# Altium PCB Camera-M-PCB.PcbDoc (part 2 of 2)
Units mil, origin at the board's own origin, x right, y up, seen from the top; angles counter-clockwise.
Board outline 1377.95 x 1968.5 mil, 4 copper layers (Top Layer, GND02, ART03, Bottom Layer), stack 23.756 mil thick; 131 components, 85 nets, 466 pads, 261 vias.
Unrouted connection lines stored in the file: 96.
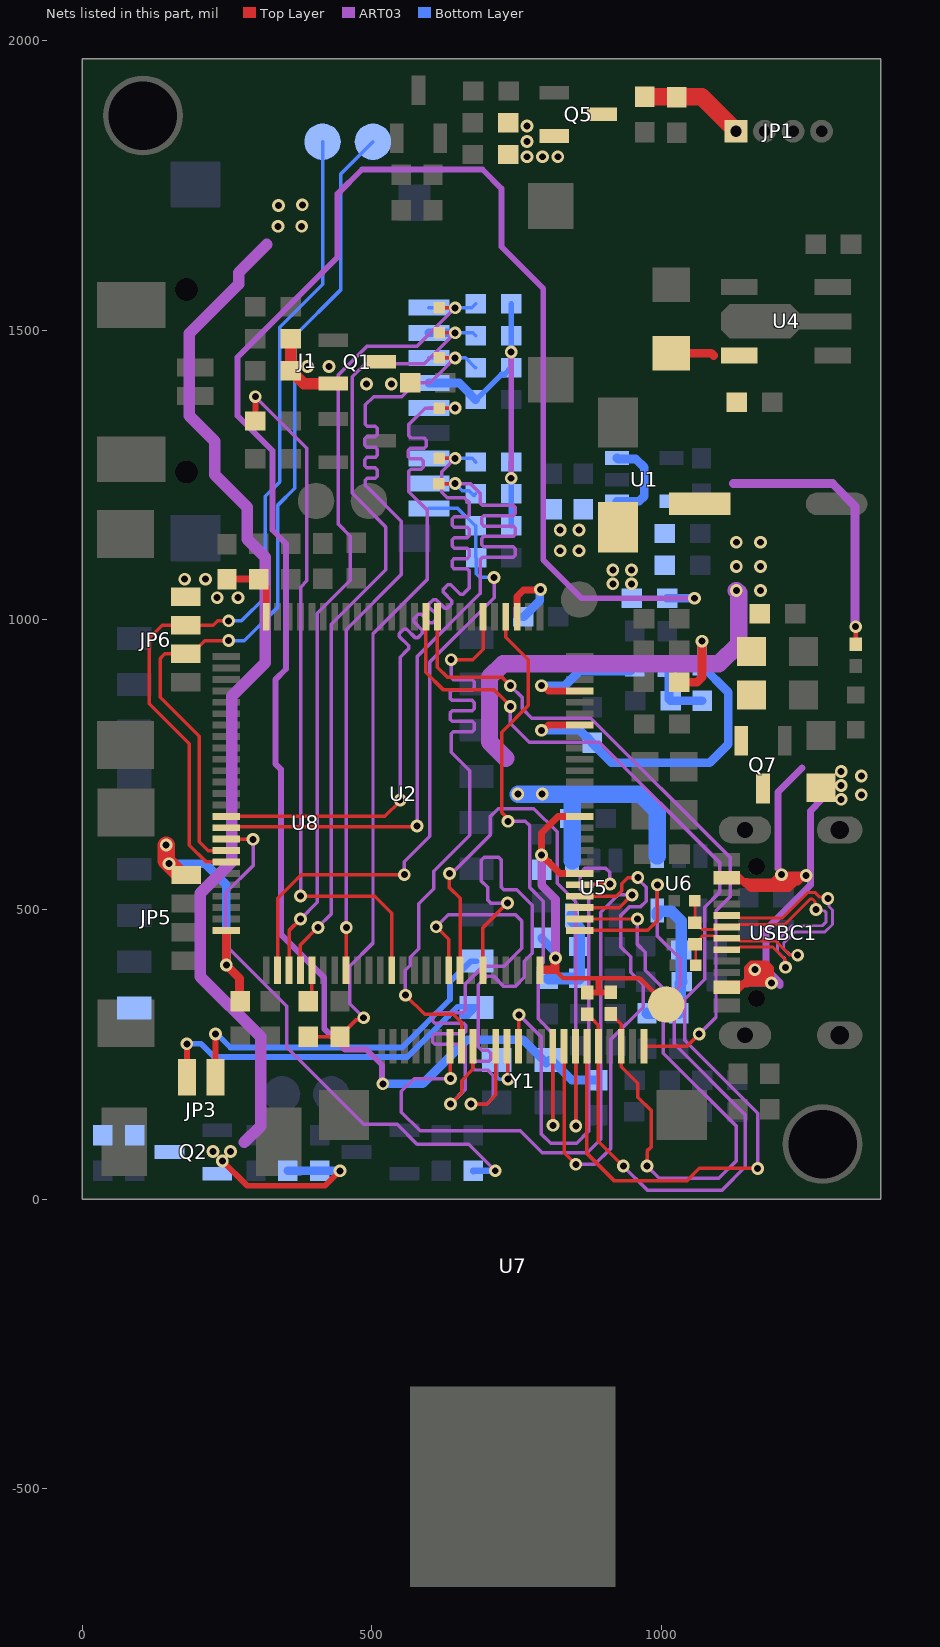
[diagram p4: the nets of this part, all layers, seen from the top]

## Via types
v1: diameter 22, hole 12, Top Layer to Bottom Layer, tented both sides, 261 vias

## Nets (pads, with @x,y where several pads share a name; then routed paths per layer and width w, separated by ;. In a path a pad name is that pad's centre, name@x,y a point inside that pad or via, vN(x,y) a via of type N, cw(c..) or ccw(c..) an arc to the next point about the centre after c; other vN are vias at no path point) (continued)
OV_D4: U2.3 U7.18 | length 1126.7
  Top Layer w6: U7.18@634.56,264.56 U7.18@635.11,264 635.43,263.68 635.43,208.32 v1(635.74,208) ; U2.3@859.12,503.15 927.15,503.15 v1(949,525)
  ART03 w6: v1(635.74,208) 573,208 551,186 551,150.23 583.23,118 756,118 794,80 872,80 895,103 895,495.02 924.98,525 v1(949,525)
OV_D5: U2.92 U7.16 | length 956.6
  Top Layer w6: v1(611,470) 632.74,448.26 U2.92@632.74,394.88 ; v1(635.74,164) 655.11,183.37 655.11,204.63 674.48,224 U7.16@674.48,264
  ART03 w6: v1(611,470) 632,491 748,491 759,480 759,433 727.5,401.5 691.8,401.5 660.87,370.57 660.87,346 660.87,325 657.27,321.4 609.02,321.4 605.42,317.8 605.42,307 609.02,303.4 658.4,303.4 662,299.8 662,289 658.4,285.4 609.02,285.4 605.42,281.8 605.42,271 609.02,267.4 657.27,267.4 660.87,263.8 660.87,231.57 660.87,189.13 v1(635.74,164)
OV_D6: U2.95 U7.14 | length 1065.1
  Top Layer w6: v1(671,164) 698,164 713.85,179.85 U7.14@713.85,264 ; U2.95@691.8,394.88 691.8,468.8 v1(734,511)
  ART03 w6: v1(671,164) 698,164 709.57,175.57 709.57,213.16 699.87,222.85 677.36,222.85 673.84,226.37 673.84,234.33 677.63,238.13 701.49,238.13 705,241.64 705,252 700,257 689.93,257 684,262.93 684,370 699,385 710,385 728,367 747.34,367 763,382.66 763,410.41 777,424.41 777,506.99 749.99,534 727.99,534 723,538.99 723,585.99 718.99,590 694.12,590 689,584.88 689,549 700,538 700,516.17 705.17,511 v1(734,511)
OV_D7: U2.5 U7.12 | length 954.4
  Top Layer w6: U7.12@753.22,264 753.61,264.39 753.61,317.61 v1(754,318) ; U2.5@859.12,542.52 859.86,543.26 910.26,543.26 v1(911,544)
  ART03 w6: v1(754,318) 792,280 792,113 808.55,96.45 853.52,96.45 874,116.93 874,520 859.49,534.51 859.49,562.49 868.45,571.45 903,571.45 910.45,564 910.45,544.55 v1(911,544)
OV_HREF: U2.29 U7.9 | length 1111.3
  Top Layer w6: U2.29@731.17,1005.12 731.17,969.83 770,931 770,852 724,806 724,667.33 735,656.33 v1(735,652) ; U7.9@812.28,264 812.46,263.82 v1@812.46,127.36
  ART03 w6: v1(735,652) 765,652 772.91,644.09 772.91,537.09 795.98,514.02 795.98,408.07 787,399.09 787,311 812.64,285.36 v1(812.64,127.36)
OV_PCLK: U2.31 U7.17 | length 1136.8
  Top Layer w6: v1(558,352) 591,319 640.8,319 654.8,305 U7.17@654.8,264 ; v1(637,931) 674,931 692,949 692,1004.91 U2.31@691.8,1005.12
  ART03 w6: v1(558,352) 558,395 566.5,403.5 566.5,417.5 581,432 581,510 607,536 607,566 669,628 669,739.5 637,771.5 637,782 637,803 640.6,806.6 673.4,806.6 677,810.2 677,821 673.4,824.6 638.6,824.6 635,828.2 635,839 638.6,842.6 673.4,842.6 677,846.2 677,857 673.4,860.6 638.6,860.6 635,864.2 635,875 638.6,878.6 673.4,878.6 677,882.2 677,893 673.4,896.6 640.6,896.6 637,900.2 637,907 v1(637,931)
OV_PWDN: U2.4 U7.8 | length 948
  Top Layer w6: U7.8@831.96,264 831.96,80.04 v1(852,60) ; v1@850.5,58.5 v1@852,57 ; U2.4@859.12,522.83 921.83,522.83 931.31,532.31 931.31,544.28 941.75,554.72 v1@958.86,554.72
  ART03 w6: v1(852,60) 885,60 912,87 912,275.23 968.26,331.49 968.26,369.76 946.58,391.43 946.58,418.42 930,435 930,490.11 944.89,505 964.33,505 973.45,514.12 973.45,537.96 959.13,552.28 v1(959.13,555)
OV_RESET: U2.36 U7.6 | length 1858.6
  Top Layer w6: U2.36@593.37,1005.12 593.37,909 622.87,879.5 710.5,879.5 731.73,858.27 ; U7.6@871.33,264 871.33,78.67 917.92,32.08 1044.42,32.08 1065.35,53 v1(1166,53)
  ART03 w6: v1(739,850) 739,821 771.57,788.43 892.57,788.43 1100.87,580.13 1100.87,530 1074.34,503.48 1074.34,379.34 1040,345 1040,274 1166,148 v1(1166,53)
OV_SCL: R15.1 U2.1 U7.5 | length 1294.1
  Top Layer w6: U2.1@859.12,463.78 976.43,463.78 993,480.35 v1(993,542.5) ; R15.1@872,319.3 872,318.32 879.83,310.49 880.81,310.49 891.02,300.28 U7.5@891.02,264 891.02,99.98 v1(934,57)
  ART03 w6: v1(934,57) 975.35,15.65 1104.65,15.65 1144.8,55.8 1144.8,145.2 1022,268 1022,358 1032.25,368.25 1032.25,414.61 993,453.86 v1(993,542.5)
OV_SDA: R17.1 U2.2 U7.3 | length 1057.4
  Top Layer w6: U2.2@859.12,483.46 v1(958.46,483.46) ; R17.1@912.6,319.39 912.6,318.4 920.42,310.58 921.41,310.58 930.39,301.6 U7.3@930.39,264 930.39,228.61 959,200 959,176 981.9,153.1 981.9,89.86 975,82.96 v1(975,57)
  ART03 w6: v1(958.46,483.46) 958.46,439.54 972.23,425.77 972.23,394.77 1003,364 1003,252 1129.31,125.69 1129.31,66.31 1099,36 996,36 v1(975,57)
OV_STROBE: U2.35 U7.1 | length 1170.9
  Top Layer w6: U2.35@613.06,1005.12 613.06,918 630.56,900.5 724.68,900.5 v1(739,886.18) ; U7.1@969.76,264 1044,264 v1(1065,285)
  ART03 w6: v1(739,886.18) 760,865.18 760,846 776,830 878,830 1119,589 1119,522.93 1094,497.93 1094,314 v1(1065,285)
OV_VSYNC: U2.93 U7.7 | length 1101.9
  Top Layer w6: v1(634,562) 634,537.5 652.5,519 652.5,394.96 U2.93@652.43,394.88 ; U7.7@851.65,264 852.32,263.32 852.32,126.32 v1(852,126)
  ART03 w6: v1(634,562) 638,562 704,628 704,659.94 718.06,674 779.63,674 819.75,633.88 819.75,545.25 852,513 v1(852,126)
OV_XCLK: U7.13 Y1.3 | length 107.3
  Top Layer w6: U7.13@733.54,264 734.27,263.27 734.27,207.73 v1(735,207)
  Bottom Layer w6: Y1.3@715.45,239.83 715.45,211.55 720,207 v1(735,207)
SD_DET: C55.2 J1.9 R36.2 U2.77 | length 1147.4
  Top Layer w6: U2.77@337.46,394.88 337.46,519.46 378,560 v1(556,560)
  ART03 w6: v1(556,560) 556,582 600,626 600,927 711,1038 v1(711,1073.02)
  Bottom Layer w6: J1.9@598.39,1192.01 648.63,1192.01 678.51,1162.13 R36.2@679.49,1162.13 679.49,1107.63 C55.2@680,1107.13 680,1079 685.98,1073.02 v1(711,1073.02)
SDIO_CLK: R35.2 U2.80 | length 56.1
  Top Layer w6: R35.2@390,341.51 396.52,348.03 U2.80@396.52,394.88
SDIO_CMD: C52.2 J1.3 R32.2 U2.83 | length 1446.3
  Top Layer w6: U2.83@455.57,394.88 455.79,395.09 455.79,468.79 v1(456,469) ; C52.2@616.1,1451.85 v1(643.86,1451.85)
  ART03 w6: v1(456,469) 456,983 551,1078 551,1170 498,1223 488.78,1232.22 488.78,1240.4 492.38,1244 505.5,1244 509.1,1247.6 509.1,1258.4 505.5,1262 491.38,1262 487.78,1265.6 487.78,1276.4 491.38,1280 505.5,1280 509.1,1283.6 509.1,1294.4 505.5,1298 491.38,1298 487.78,1301.6 487.78,1312.4 491.38,1316 505.5,1316 509.1,1319.6 509.1,1330.4 505.5,1334 492.38,1334 488.78,1337.6 488.78,1360 488.78,1370.78 503,1385 551.77,1385 575.77,1409 601,1409 v1(643.86,1451.85)
  Bottom Layer w6: J1.3@598.39,1451.85 v1(643.86,1451.85) 661.66,1451.85 678.51,1435 R32.2@679.49,1435
SDIO_D0: C48.2 J1.7 R28.2 U2.65 | length 1410.5
  Top Layer w6: U2.65@248.88,660.63 522.62,660.63 549,687.01 v1(549,689) ; C48.2@616.1,1278.62 v1(643.86,1278.62)
  ART03 w6: v1(549,689) 549,935.41 561.29,947.71 563.42,949.83 563.42,954.92 547.29,971.04 547.29,976.13 554.93,983.77 560.02,983.77 574.57,969.22 579.66,969.22 587.3,976.86 587.3,981.95 572.75,996.5 572.75,1001.59 580.39,1009.22 585.48,1009.22 600.03,994.67 605.12,994.67 612.76,1002.31 612.76,1007.4 598.2,1021.95 598.2,1027.04 605.84,1034.68 610.93,1034.68 625.48,1020.13 630.57,1020.13 638.21,1027.77 638.21,1032.86 623.66,1047.41 623.66,1052.5 631.3,1060.14 636.39,1060.14 652.51,1044.01 657.6,1044.01 660.79,1047.21 668.54,1054.96 668.54,1081 668.54,1084 664.94,1087.6 642.14,1087.6 638.54,1091.2 638.54,1102 642.14,1105.6 664.4,1105.6 668,1109.2 668,1120 664.4,1123.6 642.14,1123.6 638.54,1127.2 638.54,1138 642.14,1141.6 664.4,1141.6 668,1145.2 668,1156 664.4,1159.6 642.14,1159.6 638.54,1163.2 638.54,1174 642.14,1177.6 664.94,1177.6 668.54,1181.2 668.54,1190.13 668.54,1201.46 659.68,1210.32 630.32,1210.32 620.44,1220.19 620.44,1255.2 v1(643.86,1278.62)
  Bottom Layer w6: v1(643.86,1278.62) 673,1278.62 R28.2@679.49,1272.13
SDIO_D1: C49.2 J1.8 R29.2 U2.66 | length 1399.4
  Top Layer w6: U2.66@248.88,640.94 250.41,642.47 576.47,642.47 v1(578,644) ; C49.2@615.43,1235 v1(643.86,1235)
  ART03 w6: v1(578,644) 578,936 684,1042 687.48,1045.48 687.48,1104.09 691.08,1107.69 743.88,1107.69 747.48,1111.29 747.48,1122.09 743.88,1125.69 693.44,1125.69 689.85,1129.29 689.85,1140.09 693.44,1143.69 743.88,1143.69 747.48,1147.29 747.48,1158.09 743.88,1161.69 693.44,1161.69 689.85,1165.29 689.85,1176.09 693.44,1179.69 743.88,1179.69 747.48,1183.29 747.48,1194.09 743.88,1197.69 691.08,1197.69 687.48,1201.29 687.48,1206 687.48,1217.52 670,1235 v1(643.86,1235)
  Bottom Layer w6: v1(643.86,1235) 656.29,1222.57 667.79,1222.57 676.37,1214 R29.2@679.49,1217.13
SDIO_D2: C50.2 J1.1 R30.2 U2.78 | length 1442.2
  Top Layer w6: U2.78@357.15,394.88 357.07,394.96 357.07,463.58 v1(377,483.5) ; C50.2@616.03,1538.21 v1(643.86,1538.21)
  ART03 w6: v1(377,483.5) 406,512.5 406,1011 463.06,1068.06 463.06,1143.94 441.63,1165.37 441.63,1422.09 491.12,1471.58 577.23,1471.58 v1(643.86,1538.21)
  Bottom Layer w6: J1.1@598.39,1538.46 598.64,1538.21 v1(643.86,1538.21) 672.7,1538.21 R30.2@679.49,1545
SDIO_D3: C51.2 J1.2 R31.2 U2.79 | length 1429.5
  Top Layer w6: U2.79@376.83,394.88 376.83,438.83 v1(407,469) ; C51.2@616.1,1495.16 v1(643.86,1495.16)
  ART03 w6: v1(407,469) 430,492 430,992 524,1086 524,1160 466,1218 466,1419 489,1442 590.7,1442 v1(643.86,1495.16)
  Bottom Layer w6: v1(643.86,1495.16) 674.33,1495.16 R31.2@679.49,1490
  Bottom Layer w15: J1.2@598.39,1495.16 v1(643.86,1495.16)
SDIOCLK: C53.2 C54.2 J1.5 R35.1 | length 1473.3
  Top Layer w6: R35.1@390,280.48 C53.2@445,280.49 445,281.48 473.46,309.94 482.94,309.94 v1(486,313) ; C54.2@616.1,1365.24 v1(643.86,1365.24)
  ART03 w6: v1(486,313) 462,337 462,402 502,442 502,976 596,1070 596,1189 564,1221 564,1235 564,1256 567.6,1259.6 585.4,1259.6 589,1263.2 589,1274 585.4,1277.6 566.27,1277.6 562.67,1281.2 562.67,1292 566.27,1295.6 590.4,1295.6 594,1299.2 594,1310 590.4,1313.6 567.6,1313.6 564,1317.2 564,1334 564,1337 592.24,1365.24 v1(643.86,1365.24)
  Bottom Layer w6: J1.5@598.39,1365.24 v1(643.86,1365.24)
SPK+: JP3.1 U8.18 | length 664.8
  Top Layer w10: JP3.1@180.79,210 v1(180.79,268)
  Bottom Layer w10: v1(180.79,268) 205,268 227.82,245.18 561.18,245.18 632.3,316.3 648,332 679.54,332 U8.18@680.55,330.98 ; U8.18@680.55,330.98 665.87,316.3 656.02,316.3 670.71,330.98 U8.18@680.55,330.98
SPK-: JP3.2 U8.17 | length 614.7
  Top Layer w10: JP3.2@230,210 v1(230,285)
  Bottom Layer w10: v1(230,285) 232.77,285 255.93,261.84 552.42,261.84 635,344.42 635,375 656.02,396.02 670.71,410.71 U8.17@680.55,410.71
UART1_RX: JP6.2 TP6.1 U2.69 | length 1517.9
  Top Layer w6: U2.69@248.88,581.89 214.11,581.89 185,611 185,786 116,855 116,968 138.15,990.15 179,990.15 226.15,990.15 234,998 v1(253,998)
  Bottom Layer w6: v1(253,998) 275,998 316,1039 316,1213 340.75,1237.75 340.75,1504.75 415,1579 TP6.1@415,1825
UART1_TX: JP6.3 TP5.1 U2.68 | length 1507.8
  Top Layer w6: U2.68@248.88,601.57 217.43,601.57 202,617 202,799 135,866 135,933 142.94,940.94 179,940.94 188.84,940.94 211.91,964 v1(253,964)
  Bottom Layer w6: v1(253,964) 280,964 338,1022 338,1198 367.02,1227.02 367.02,1490.02 446,1569 446,1769 TP5.1@502,1825
USB_DM: C59.1 R1.2 USBC1.A7 USBC1.B7 | length 598.9
  Top Layer w5: C59.1@1057.61,514.88 1057.43,514.7 R1.2@1057.43,477.25 1058.42,477.25 1066.74,468.92 1066.74,468.44 1069.67,465.51 1089.56,465.51 1090.48,466.43 1109.22,466.43 USBC1.A7@1112.63,469.84 1116.03,473.24 1134.72,473.24 1135.69,474.21 1212.82,474.21 1256.53,517.93 1260.68,517.93 1264.71,513.89 1264.71,501.7 v1(1266.7,499.72) ; USBC1.B7@1112.64,430.47 1116.04,433.87 1134.75,433.87 1135.71,434.83 1192.17,434.83 1214,413 v1(1214,400)
  ART03 w5: v1(1214,400) 1212.53,401.47 1212.53,414.69 1203.11,424.11 1199.89,427.33 1199.89,446.45 1225.22,471.78 1277.22,471.78 1284.17,478.73 1284.17,494.25 1280.79,497.64 1268.78,497.64 v1(1266.7,499.72)
USB_DP: C60.2 R2.2 USBC1.A6 USBC1.B6 | length 618
  Top Layer w5: C60.2@1058.99,403.78 1058.99,438.71 R2.2@1057.7,440 1058.68,440 1067.01,448.33 1067.01,450.25 1071.27,454.51 1089.5,454.51 1090.45,453.56 1109.16,453.56 USBC1.A6@1112.57,450.16 1115.97,446.75 1134.71,446.75 1135.63,445.83 1196.73,445.83 1221.56,421 v1(1235,421) ; USBC1.B6@1112.57,489.53 1115.97,486.12 1134.72,486.12 1135.63,485.21 1208.26,485.21 1251.98,528.93 1265.23,528.93 1273,521.16 1284.84,521.16 v1(1287,519)
  ART03 w5: v1(1235,421) 1233.53,422.47 1220.31,422.47 1210.89,431.89 1210.89,441.89 1229.78,460.78 1281.78,460.78 1295.17,474.17 1295.17,498.8 1289.07,504.91 1289.07,516.93 v1(1287,519)
USB_VBUS: C5.2 Q7.3 USBC1.A4 USBC1.A9 USBC1.B4 USBC1.B9 | length 1551.3
  Top Layer w12: USBC1.B4@1112.57,548.58 1140.92,548.58 ; USBC1.A9@1112.57,560.39 1129.11,560.39 1140.92,548.58 ; USBC1.A4@1112.73,359.61 1129.27,359.61 1141.18,371.51 ; USBC1.B9@1112.73,371.42 1112.82,371.51 1141.18,371.51 ; 1229.56,545.44 1220.12,536 1199.97,536 ; v1@1248,559 1228.62,559 ; 1140.92,548.58 1153.5,536 1160,536 ; 1140.92,548.58 1147.42,548.58 1149,547 ; 1141.18,371.51 1148.2,378.54 1148.2,380.5 ; 1141.18,371.51 1148.51,371.51 1150,373 ; 1148.2,380.5 1148.2,398.97 1155.23,406 1181,406 1188.09,398.91 1188.09,389.91 ; 1148.2,380.5 v1@1159.09,391.38 ; 1149,547 1160,536 ; 1149,547 1191.29,547 1204.29,560 v1(1207,560) ; 1150,373 1170,373 ; 1150,373 1159.09,382.09 ; 1159.09,382.09 v1@1159.09,391.38 ; 1159.09,382.09 1162.46,385.46 1171.54,385.46 ; v1@1159.09,391.38 1161,393.29 v1(1161,396) ; v1@1159.09,391.38 1159.09,394.09 v1(1161,396) ; 1160,536 1183,536 ; v1(1161,396) 1162,397 1181,397 1188.09,389.91 ; v1(1161,396) 1163.71,396 1168.33,391.38 1171.62,391.38 v1@1188.09,374.91 ; v1(1161,396) 1171.54,385.46 ; 1170,373 v1(1190,373) ; 1170,373 1170,383.91 1171.54,385.46 ; 1171.54,385.46 1182.09,374.91 v1@1188.09,374.91 ; 1183,536 1199.97,536 ; 1183,536 1194,547 ; v1@1188.09,374.91 v1(1190,373) ; v1@1188.09,374.91 1188.09,389.91 ; v1@1188.09,374.91 v1(1190,373) ; 1194,547 v1@1205.09,558.09 ; 1194,547 1199.97,541.03 1199.97,536 ; 1199.97,536 1205.09,541.12 ; 1205.09,541.12 1223.24,541.12 1229.13,547 ; 1205.09,541.12 1207,543.03 ; 1205.09,541.12 v1@1205.09,558.09 ; v1@1205.09,558.09 v1@1206,559 ; v1@1206,559 v1@1207,559 ; v1@1206,559 v1(1207,560) ; 1207,543.03 1210.97,547 1222.71,547 ; 1207,543.03 v1@1207,559 ; v1@1207,559 v1@1210.71,559 ; v1@1207,559 v1(1207,560) ; v1(1207,560) 1209.71,560 v1@1210.37,559.34 ; v1(1207,560) 1207.66,559.34 v1@1210.37,559.34 ; v1@1210.37,559.34 1228.28,559.34 ; v1@1210.37,559.34 v1@1210.71,559 ; v1@1210.71,559 1227.94,559 ; v1@1210.71,559 1222.71,547 ; 1222.71,547 1223.08,547 ; 1223.08,547 1229.13,547 ; 1223.08,547 1223.08,554.13 1227.94,559 ; 1227.94,559 1228.62,559 ; 1227.94,559 1228.28,559.34 ; 1228.28,559.34 1248.9,559.34 v1(1249.56,558.67) 1246.86,558.67 1235.18,547 ; 1228.28,559.34 1228.62,559 ; 1228.62,559 1235.18,552.44 1235.18,547 ; 1229.13,547 1235.18,547
  ART03 w12: 1144.69,375.03 1146.72,373 v1(1190,373) ; 1201.15,570.15 1201.15,702.69 1242.41,743.94 ; 1204.3,369.02 1204.3,373.7 1180,398 1180,465 1257,542 1257,670 1276.33,689.33
  other v1: 1310,690 1344.86,697.76 1310,714 1344.86,730.24 1310,738
VCC_1V3: C27.2 C28.2 R13.1 U5.5 | length 167.1
  Bottom Layer w20: R13.1@805,380.52 805.24,380.76 857.76,380.76 C28.2@858,381 C27.2@858,436 858,468.5 845.6,480.9 U5.5@845.6,489.76
VCC_2V8: C33.2 C34.2 R16.1 R19.1 U6.5 | length 271.9
  Bottom Layer w20: R16.1@975,320.52 R19.1@1030,320.52 1032.25,322.76 1032.25,372.75 C34.2@1034.49,375 1034.23,375.26 1034.23,429.74 C33.2@1033.98,430 1033.98,480.07 1017.17,496.88 994.41,496.88 992.6,495.07 U6.5@992.6,488.9
VCC_3V3: C41.2 R3.2 Y1.4 | length 3497.8
  ART03 w10: v1(519,199) 517.66,200.34 517.66,231.34 491,258 454,258 418,294 418,382 343,457 343,742 333.5,751.5 333.5,896.5 352,915 352,1131 328.38,1154.62 328.38,1291.62 268,1352 268,1453 441,1626 441,1735 483,1777 691,1777 724,1744 724,1643.84 796,1571.84 796,1103 862,1037 v1(1057,1037)
  Bottom Layer w15: v1(519,199) 588,199 664,275 760.91,275 Y1.4@801.04,234.87 ; Y1.4@806,239.83 810.92,239.83 845.25,205.51 C41.2@890,205.51 ; R3.2@1009.5,1036.83 1009.59,1036.91 1056.91,1036.91 v1(1057,1037)
VCC_IN: C1.2 C2.2 C6.2 C7.2 C8.2 C9.2 C10.2 C26.2 C45.2 D5.2 E2.1 Q2.2 Q5.2 Q7.2 R4.1 R6.2 R7.1 R21.1 U1.1 U1.3 U4.5 U5.1 U6.1 | length 3919.6
  Top Layer w8: R6.2@1335,957.4 v1(1335,988)
  Top Layer w10: v1(242,66) 285,23 419,23 v1(444.9,48.9)
  Top Layer w15: R7.1@1017,1459.94 1086.06,1459.94 1090,1456
  ART03 w15: 1124,1235 1295,1235 1334,1196 1334,989 v1(1335,988)
  ART03 w20: 280,98 308,126 308,280 204,384 204,528 258,582 258,868 316,926 316,1108 285,1139 285,1194 229,1250 229,1308 185,1352 185,1494 270,1579 270,1599 318.53,1647.53
  ART03 w30: 731,761 703,789 703,900.5 726.5,924 1099,924 1133,958 1133,1046.34 v1(1129.01,1050.33)
  Bottom Layer w15: R21.1@355,48.89 C45.2@410,48.9 v1(444.9,48.9) ; U1.1@923,1204.2 923.09,1204.28 961.21,1204.28 970,1213.07 970,1263 955.65,1277.35 924.65,1277.35 U1.3@923,1279
  Bottom Layer w30: v1@753,699 v1(793.94,699) 824.92,699 825.09,698.83 848,698.83 ; U5.1@845.6,584.24 845.6,696.43 848,698.83 ; U6.1@992.6,592.24 992.6,670.4 964.17,698.83 848,698.83
  other v1: 225.72,82 256,82 752,699 1170.67,1050.33 1129.01,1092 1170.67,1092 825,1119 857.6,1119 1129.01,1133.67 1170.67,1133.67 825,1155 857.6,1155 338,1679 379,1679 339,1715 380,1716 768,1799 794.5,1799 821,1799 768,1825.5 768,1852
VCC_LED: C57.2 C58.2 JP1.1 Q5.3 | length 182.1
  Top Layer w30: C57.2@971.03,1902.26 1069.31,1902.26 JP1.1@1128.57,1843
VCC_TF: C42.2 C43.2 J1.4 Q1.3 R28.1 R29.1 R30.1 R31.1 R32.1 R36.1 | length 615.2
  ART03 w10: v1(740.52,1244.13) v1(740.52,1462)
  Bottom Layer w10: C43.2@679.49,1380 680.48,1380 723.74,1423.27 728.78,1423.27 R32.1@740.52,1435 v1(740.52,1462) R31.1@740.52,1490 R30.1@740.52,1545 ; R36.1@740.52,1162.13 R29.1@740.52,1217.13 v1(740.52,1244.13) R28.1@740.52,1272.13
  Bottom Layer w15: J1.4@598.39,1408.54 650.95,1408.54 669.27,1390.22 669.27,1389.23 678.51,1380 C43.2@679.49,1380
  other v1: 491,1407 533.67,1407
VCC_VOICE: C46.2 C47.2 Q2.3 U8.1
VCPU: C11.2 C12.2 C17.1 C18.1 C19.1 C20.1 C21.1 C22.1 C23.1 C44.2 JP5.1 JP6.1 Q1.2 R3.1 R11.1 R15.2 R17.2 R20.1 R37.2 TP9.1 U1.5 U2.6 U2.11 U2.19 U2.28 U2.50 U2.75 U2.100 | length 2328
  Top Layer w8: 816,396 830.63,381.37 962.63,381.37 TP9.1@1008,336
  Top Layer w10: R15.2@872,356.7 R15.2@872,356.7 891,356.75 ; 890.84,379.99 891,379.84 891,356.75 ; R17.2@912.6,356.79 912.55,356.75 891,356.75
  Top Layer w12: 269,1070 C21.1@305,1070 305,1069.02 317.78,1056.24 U2.50@317.78,1005.12 ; U2.28@750.85,1005.12 750.85,1039.85 762,1051 790,1051 v1(791,1052) ; v1(792.98,809.09) 795.69,809.09 804.71,818.11 U2.19@859.12,818.11 ; U2.6@859.12,562.2 824.8,562.2 v1(793,594) 793,632 821.63,660.63 U2.11@859.12,660.63
  Top Layer w15: U2.75@248.88,461.11 v1(248.88,404) 271.52,381.37 271.52,343 C20.1@273,341.52 ; U2.100@791.34,396 816,396 816,415 v1(817,416) ; R37.2@1030.51,892 1061.21,892 1070,900.79 v1(1070,963)
  Top Layer w20: R20.1@360.01,1485 C44.2@360,1430 360.98,1430 370.69,1420.3 370.69,1419.31 382.4,1407.6 Q1.2@433.66,1407.6
  Top Layer w30: v1(145,611) 145,584 v1(150,579) 150.37,579 170.16,559.21 JP5.1@180,559.21 ; JP6.1@175.49,1039.36 JP6.1@179,1039.36
  ART03 w15: v1(793,594) 793,541.72 817,517.72 v1(817,416)
  Bottom Layer w15: v1(150,579) 212.5,579 248.88,542.62 v1(248.88,404) ; C22.1@761.02,1005.12 762,1005.12 789.66,1032.77 789.66,1050.66 v1(791,1052) ; C23.1@793,451 793,450.02 815.66,427.36 815.66,417.34 v1(817,416) ; v1(792.98,809.09) 858.62,809.09 869.9,797.81 870.89,797.81 880.12,788.58 C19.1@880.12,787.6 880.12,786.61 913.73,753 1083,753 1115,785 1115,875.04 1070,920.04 R11.1@1070,921.02 v1(1070,963)
  other v1: 233,1038 269,1038 916,1062 948,1062 177,1070 213,1070 916,1086 948,1086 389,1437 426,1437
VDDA: C15.1 C16.1 R11.2 R12.1 U2.22 | length 416.8
  Top Layer w12: v1(792.98,886.18) 795.69,886.18 804.71,877.17 U2.22@859.12,877.17
  Bottom Layer w15: v1(792.98,886.18) 833.18,886.18 858,911 946.02,911 C16.1@954.25,919.23 ; C16.1@954,919.48 C16.1@954.25,919.23 ; R11.2@1070,860 R12.1@1015.52,860 1012.76,862.76 1012.76,916.22 C15.1@1010,918.98 1009.75,919.23 C16.1@954.25,919.23
VOICE_POW: R25.2 U2.67 | length 954.6
  Top Layer w6: U2.67@248.88,621.26 249.14,621 v1(295,621)
  ART03 w6: v1(295,621) 295,575.52 248,528.52 248,438 353,333 353,261.84 485.84,129 544,129 578,95 667,95 v1(713,49)
  Bottom Layer w12: R25.2@675,48.9 675.1,49 v1(713,49)
VSD_POW: R24.2 U2.87 | length 1203.7
  Top Layer w6: v1@387,523 505,523 534.32,493.68 U2.87@534.32,394.88
  Top Layer w10: R24.2@298.98,1343 v1(299,1385)
  ART03 w6: v1(299,1385) 388,1296 388,1067.21 377,1056.21 v1(377,523)
pads on no net: J1.0 U2.7 U2.8 U2.9 U2.16 U2.17 U2.18 U2.23 U2.26 U2.30 U2.32 U2.33 U2.34 U2.37 U2.38 U2.39 U2.40 U2.41 U2.42 U2.43 U2.44 U2.45 U2.46 U2.47 U2.48 U2.51 U2.52 U2.53 U2.54 U2.57 U2.58 U2.59 U2.60 U2.61 U2.62 U2.81 U2.82 U2.84 U2.85 U2.86 U2.88 U2.89 U2.90 U2.91 U2.96 U7.23 U7.24 U7.27 U8.3 U8.4 U8.7 U8.10 U8.11 U8.12 U8.13 U8.14 U8.15 USBC1. USBC1.A5 USBC1.A8 USBC1.B5 USBC1.B8 Y1.1

## Polygon pours and split planes (outlines as drawn)
GND on Top Layer "GND_L01_P050" (solid, remove dead copper, pour order 50): 0,1968.5 1377.95,1968.5 1377.95,0 0,0
VCC_IN on Top Layer "VCC_IN_L01_P039" (solid, remove dead copper, pour order 39): 737,706 743,712 810,712 814,708 814,679 808,673 743,673 737,679
VCPU on Top Layer "VCPU_L01_P036" (solid, remove dead copper, pour order 36): 343,1501 391,1501 396,1496 396,1459 405,1450 455.02,1450 462.28,1442.74 462.28,1397.28 459,1394 360,1394 343,1411
AVDD on Top Layer "AVDD_L01_P032" (solid, remove dead copper, pour order 32): 922,228 940,210 940,163 972,131 972,99 960,87 919.33,87 904,102.33 904,228
DOVDD on Top Layer "DOVDD_L01_P024" (solid, remove dead copper, pour order 24): 739,38 739,128 764,153 764,229.09 772.91,238 798,212.91 798,42 794,38
GND on Top Layer "GND_L01_P002" (solid, remove dead copper, pour order 2): 1213,1236 1173,1276 1173,1357 1178,1362 1250,1362 1265,1347 1313,1347 1336,1324 1336,1256 1357,1235 1357,1050 1314,1007 1314,779 1302,767 1200,767 1200,833 1213,846 1213,1117
VCC_IN on Top Layer "VCC_IN_L01_P025" (solid, remove dead copper, pour order 25): 207,36 207,86.63 219.72,99.35 267.67,99.35 272.11,94.91 272.11,47.11 261,36
VCPU on Top Layer "VCPU_L01_P018" (solid, remove dead copper, pour order 18): 153,1023 153,1089 157,1093 283,1093 289,1087 289,1033 279,1023
NetD5_1 on Top Layer "NETD5_1_L01_P006" (solid, remove dead copper, pour order 6): 768,1374 862,1374 877,1359 877,1297 876,1296 962,1296 962,1407 913,1456 772,1456 768,1452
GND on Top Layer "GND_L01_P013" (solid, remove dead copper, pour order 13): 609,1391 609,1425 610,1426 689,1426 720,1395 720,1329 718,1327 671,1327 666,1332 666,1385 660,1391
VCC_TF on Top Layer "VCC_TF_L01_P012" (solid, remove dead copper, pour order 12): 518,1396 525,1389 581,1389 584,1392 584,1425 583,1426 564,1426 559,1431 559,1446 543,1462 485,1462 476,1453 476,1401 481,1396
VCC_IN on Top Layer "VCC_IN_L01_P011" (solid, remove dead copper, pour order 11): 715,1881 776,1881 789,1868 841,1868 844,1865 844,1794 833,1783 717,1783 715,1785
GND on Top Layer "GND_L01_P010" (solid, remove dead copper, pour order 10): 949,1860 1067,1860 1076,1851 1076,1807 1071,1802 958,1802 949,1811
VCC_LED on Top Layer "VCC_LED_L01_P009" (solid, remove dead copper, pour order 9): 869,1862 869,1912 880,1923 987,1923 989,1921 989,1878 984,1873 939,1873 928,1862
LED+ on Top Layer "LED+_L01_P007" (solid, remove dead copper, pour order 7): 1077,1561 1077,1649 1099,1671 1163,1671 1255,1763 1255,1855 1260,1860 1292,1860 1297,1855 1297,1735 1167,1605 1167,1561
LED- on Top Layer "LED-_L01_P008" (solid, remove dead copper, pour order 8): 769,1755 839,1755 867,1783 1164,1783 1206,1825 1206,1851 1213,1858 1239,1858 1246,1851 1246,1787 1157,1698 906,1698 879,1671 769,1671
NetD5_1 on Top Layer "NETD5_1_L01_P005" (solid, remove dead copper, pour order 5): 1264,1471 1335,1471 1340,1466 1340,1377 1333,1370 1269,1370 1264,1375
GND on Top Layer "GND_L01_P004" (solid, remove dead copper, pour order 4): 1173,1351 1173,1387 1190,1404 1190,1466 1172,1484 1077,1484 1067,1494 1067,1538 1075,1546 1323,1546 1330,1539 1330,1501 1323,1494 1257,1494 1253,1490 1253,1359 1245,1351
VCC_IN on Top Layer "VCC_IN_L01_P003" (solid, remove dead copper, pour order 3): 992,1111 1074.18,1111 1094,1091.18 1094,846 1118,822 1118,766 1179.78,766.01 1186,772.23 1186,1224 1148,1262 1148,1393 1165,1410 1165,1469 1164,1470 1074,1470 1066,1462 1066,1262 1021,1217 893,1217 882,1206 882,1111
USB_VBUS on Top Layer "USB_VBUS_L01_P000" (solid, remove dead copper, pour order 0): 1163,683 1163,738 1175,750 1359,750 1365,744 1365,679.91 1359.09,674 1175.77,674 1175,673.23
GND on ART03 "GND_L03_P051" (solid, remove dead copper, pour order 51): 0,1968.5 1377.95,1968.5 1377.95,0 0,0
AVDD on ART03 "AVDD_L03_P030" (solid, remove dead copper, pour order 30): 911.07,86 911.07,130 1079.3,130 1118,91.3 1118,77 1111,70 1061,70 1045,86
VCC_IN on ART03 "VCC_IN_L03_P017" (solid, remove dead copper, pour order 17): 751,1858 759,1866 843,1866 853,1856 853,1785 1147,1491 1147,1178 1166,1159 1186,1139 1186,1045 1174,1033 1100,1033 1039.55,1093.45 1026.15,1107.6 811.83,1107.6 811.83,1163.83 827,1179 1038,1179 1048,1190 1048,1439 751,1736
VCC_IN on ART03 "VCC_IN_L03_P042" (solid, remove dead copper, pour order 42): 309,1637 309,1734 317,1742 393,1742 407,1728 407,1645 399,1637
VCC_IN on ART03 "VCC_IN_L03_P041" (solid, remove dead copper, pour order 41): 207,56.55 207,102 215,110 289,110 298,101 298,61 289,52 211.55,52
VCC_IN on ART03 "VCC_IN_L03_P040" (solid, remove dead copper, pour order 40): 777,775 777,731.19 791.6,716.59 803.72,716.59 809.43,710.88 809.43,694.43 806,691.47 738.03,691.47 737,692.5 727.5,692.5 712,708 712,768 719,775
VCPU on ART03 "VCPU_L03_P019" (solid, remove dead copper, pour order 19): 164,940.5 164,671 197,637 197,570 192,565 134,565 124,575 124,603 94.92,632.08 94.92,974.92 124,1004 124,1051 162,1089 274,1089 288,1075 288,1030 280,1022 245.5,1022
USB_VBUS on ART03 "USB_VBUS_L03_P001" (solid, remove dead copper, pour order 1): 1197,705 1242,750 1357,750 1357,679 1280,679 1262,661 1262,550 1182.56,470.56 1182.56,399.94 1204.3,378.2 1204.3,369.02 1204,363 1145,363 1122.56,385.44 1122.56,472.56 1197,547
GND on Bottom Layer "GND_L04_P053" (solid, remove dead copper, pour order 53): 0,1968.5 1377.95,1968.5 1377.95,0 0,0
DOVDD on Bottom Layer "DOVDD_L04_P029" (solid, remove dead copper, pour order 29): 739,81 787,81 831,37 977,37 996,56 996,204 958,242 958,274 961,277 990,277 1003,264 1003,242.43 1015.98,229.45 1023.56,229.45 1032.25,220.76 1032.25,42.25 993,3 779,3 739,43
VCC_TF on Bottom Layer "VCC_TF_L04_P044" (solid, remove dead copper, pour order 44): 481,1396 481,1440 489,1448 542,1448 567,1423 634,1423 634.5,1422.5 634.5,1391 561.77,1391 551.77,1381 485.23,1381 481.02,1385.21
VCC_IN on Bottom Layer "VCC_IN_L04_P043" (solid, remove dead copper, pour order 43): 391,1660 391,1728 360,1759 360,1851 397,1888 718,1888 739,1867 739,1791 749,1781 831,1781 844,1794 844,1931 819,1956 335,1956 290,1911 290,1678 308,1660
VCPU on Bottom Layer "VCPU_L04_P038" (solid, remove dead copper, pour order 38): 129,570 129,624 149,644 217,644 230,631 230,572 218,560 139,560
NetD5_1 on Bottom Layer "NETD5_1_L04_P037" (solid, remove dead copper, pour order 37): 860,1448 872,1460 1326,1460 1338,1448 1338,1375 1333,1370 1255,1370 1240,1385 866,1385 860,1391
GND on Bottom Layer "GND_L04_P035" (solid, remove dead copper, pour order 35): 1048.78,1074.77 1048.78,1195.98 1052.54,1199.74 1052.54,1233.54 1053,1234 1300,1234 1324,1210 1324,1017 1303,996 1220.5,996 1206.5,1010 1206.5,1145.5 1193,1159 1104.17,1159 1094,1148.83 1094,1082 1087,1075
VCPU on Bottom Layer "VCPU_L04_P034" (solid, remove dead copper, pour order 34): 901.5,1098.5 901.5,1043.91 924.41,1021 983,1021 988,1026 988,1067 996,1075 1033,1075 1038,1080 1038,1179 1042,1183 1042,1211 1038,1215 996,1215 985,1204 985,1182
AVDD on Bottom Layer "AVDD_L04_P027" (solid, remove dead copper, pour order 27): 1102,107.3 1118,91.3 1118,77 1111,70 1061,70 1051,80 1051,167.42 1041.42,177 1041.42,209.58 1014,237 1014,278 1051,278 1054.5,274.5 1081.5,274.5 1102,254
GND on Bottom Layer "GND_L04_P028" (solid, remove dead copper, pour order 28): 1125,73 1112,86 1112,227 1123,238 1205,238 1214,229 1214,137 1202,125 1202,80 1195,73
GND on Bottom Layer "GND_L04_P026" (solid, remove dead copper, pour order 26): 19,64 21,66 108,66 118,56 173,56 177,52 177,11 173,7 22,7 19,10
DVDD on Bottom Layer "DVDD_L04_P023" (solid, remove dead copper, pour order 23): 786.2,293.77 786.2,347.2 792.6,353.6 875.4,353.6 879,350 879,249 877,247 845,247 842,250 842,286.88 835.23,293.65
VCC_IN on Bottom Layer "VCC_IN_L04_P022" (solid, remove dead copper, pour order 22): 207,24 207,89.09 212.82,94.91 272.11,94.91 272.11,24
VCC_VOICE on Bottom Layer "VCC_VOICE_L04_P020" (solid, remove dead copper, pour order 20): 18,333 36,351 120,351 120,311 119,310 94,310 81,297 81,179 144,116 175,116 177,114 177,69 176,68 126,68 102,92 18,92
VCC_IN on Bottom Layer "VCC_IN_L04_P015" (solid, remove dead copper, pour order 15): 898,1210 903,1215 938,1215 943,1210 943,1177.79 868.21,1103 795,1103 784,1114 784,1210
GND on Bottom Layer "GND_L04_P016" (solid, remove dead copper, pour order 16): 792,1229 784,1237 784,1352 801,1369 873,1369 892,1350 892,1263 902,1253 944,1253 944,1229
GND on Bottom Layer "GND_L04_P014" (solid, remove dead copper, pour order 14): 562,1334 653,1334 670,1351 711,1351 722,1362 722,1396 759,1396 759,1320 746,1307 562,1307
VCPU on GND02 (split plane): 464.91,1215 465.26,1212.39 466.27,1209.96 467.87,1207.87 469.96,1206.26 472.39,1205.26 475,1204.91 1012.91,1204.91 1012.91,991.18 961.69,939.96 960.09,937.87 959.08,935.44 958.74,932.83 958.74,859.83 958.74,588.19 790.08,588.19 785.92,592.35 785.92,1030.31 785.58,1032.92 784.57,1035.36 782.96,1037.44 780.88,1039.05 778.44,1040.06 775.83,1040.4 473,1040.4 470.39,1040.06 467.96,1039.05 465.87,1037.44 464.27,1035.36 463.26,1032.92 462.91,1030.31 462.91,940.94 462.91,670.72 221,670.72 218.39,670.37 215.96,669.36 213.87,667.76 212.27,665.67 211.26,663.24 210.91,660.63 210.91,601.57 210.91,437 211.26,434.39 212.27,431.96 213.87,429.87 215.96,428.27 218.39,427.26 221,426.91 268.32,426.91 268.32,393 268.32,369.68 121.09,369.68 121.09,545 121.09,846 121.09,894.76 160.13,933.8 161.73,935.89 162.03,936.61 162.74,938.33 163.09,940.94 163.09,1023 163.09,1094.43 320,1094.43 322.61,1094.77 325.04,1095.78 327.13,1097.38 328.73,1099.47 329.74,1101.9 330.09,1104.51 330.09,1467.41 464.91,1467.41
EXT_GND on GND02 (split plane): 1353.91,202.09 1096.09,202.09 1096.09,330.91 1311,330.91 1313.61,331.26 1316.04,332.27 1318.13,333.87 1319.74,335.96 1320.74,338.39 1321.09,341 1321.09,581 1320.74,583.61 1319.74,586.04 1318.13,588.13 1316.04,589.73 1313.61,590.74 1311,591.09 1092.09,591.09 1092.09,654.91 1353.91,654.91
GND on GND02 (split plane): 1357.86,675.09 1082,675.09 1079.39,674.74 1076.96,673.73 1074.87,672.13 1073.26,670.04 1072.26,667.61 1071.91,665 1071.91,581 1072.26,578.39 1073.26,575.96 1074.87,573.87 1076.96,572.27 1079.39,571.26 1082,570.91 1300.91,570.91 1300.91,351.09 1086,351.09 1083.39,350.74 1080.96,349.73 1078.87,348.13 1077.26,346.04 1076.26,343.61 1075.91,341 1075.91,192 1076.26,189.39 1077.26,186.96 1078.87,184.87 1080.96,183.27 1083.39,182.26 1086,181.91 1357.86,181.91 1357.86,20.1 20.1,20.1 20.1,1948.41 1357.86,1948.41

## Keep-outs
Keep-Out Layer:
  the board outline again, w11.81

## Other copper
Top Layer:
  text "TOP" at -64,2491 h60
ART03:
  text "ART03" at 509.99,2491 h60
Bottom Layer:
  text "BOTTOM" at 856.97,2491 h60
GND02 (plane layer: these items are gaps in the copper):
  lines w20: 111,359.59 278.41,359.59 278.41,393 278.41,437 221,437 221,601.57 221,660.63 473,660.63 473,940.94 473,1030.31 775.83,1030.31 775.83,588.17 785.9,578.1 968.83,578.1 968.83,859.83 968.83,932.83 1023,987 1023,1215 475,1215 475,1477.5 320,1477.5 320,1104.51 153,1104.51 153,1101 153,1023 153,940.94 111,898.94 111,846 111,545 111,359.59 ; 1082,581 1311,581 1311,341 1086,341 1086,192 1364,192 1364,665 1082,665 1082,581
  text "GND02" at 163.02,2491 h60

## Silkscreen, mask and mechanical layers (free items; w line width, h text height)
Top Overlay:
  lines w6: 484,1955 484,1796 417,1796 417,1956 763.59,1956 763.59,1939.56 ; 1297,1024 1271,1003 ; 1298,984 1271,1003 ; 1318,1003 1271,1003
Bottom Overlay:
  lines w6: 651.93,1080.13 892,1080.13 892,1279 892,1342 1071,1342 1071,1357 1071,1537 863,1537 863,1311 651.93,1311 651.93,1080.13 ; 822.96,459.24 832.44,459.24 832.44,348.07 1123.07,348.07 1123.07,438 1238.07,438 1238.07,681 1369,681 1369,831 1369,919 1106,919 1106,631 822.96,631 822.96,459.24

## Dimensions
0,1968.5 to 0,0 on Mechanical 1
0,1968.5 to 1377.95,1968.5 on Mechanical 1

## Text inside footprints (layer, text, board x,y; h text height)
J1: Bottom Overlay "1" at 510,1534.46 h30 r270; Bottom Overlay "2" at 510,1491.46 h30 r270; Bottom Overlay "3" at 510,1449.46 h30 r270; Bottom Overlay "4" at 510,1402.46 h30 r270; Bottom Overlay "5" at 510,1360.46 h30 r270; Bottom Overlay "6" at 510,1318.46 h30 r270; Bottom Overlay "7" at 510,1276.46 h30 r270; Bottom Overlay "8" at 510,1232.46 h30 r270; Bottom Overlay "k" at 510,1182.48 h30 r270